# Altium PCB Main_PCB.PcbDoc (part 13 of 13) (continued)
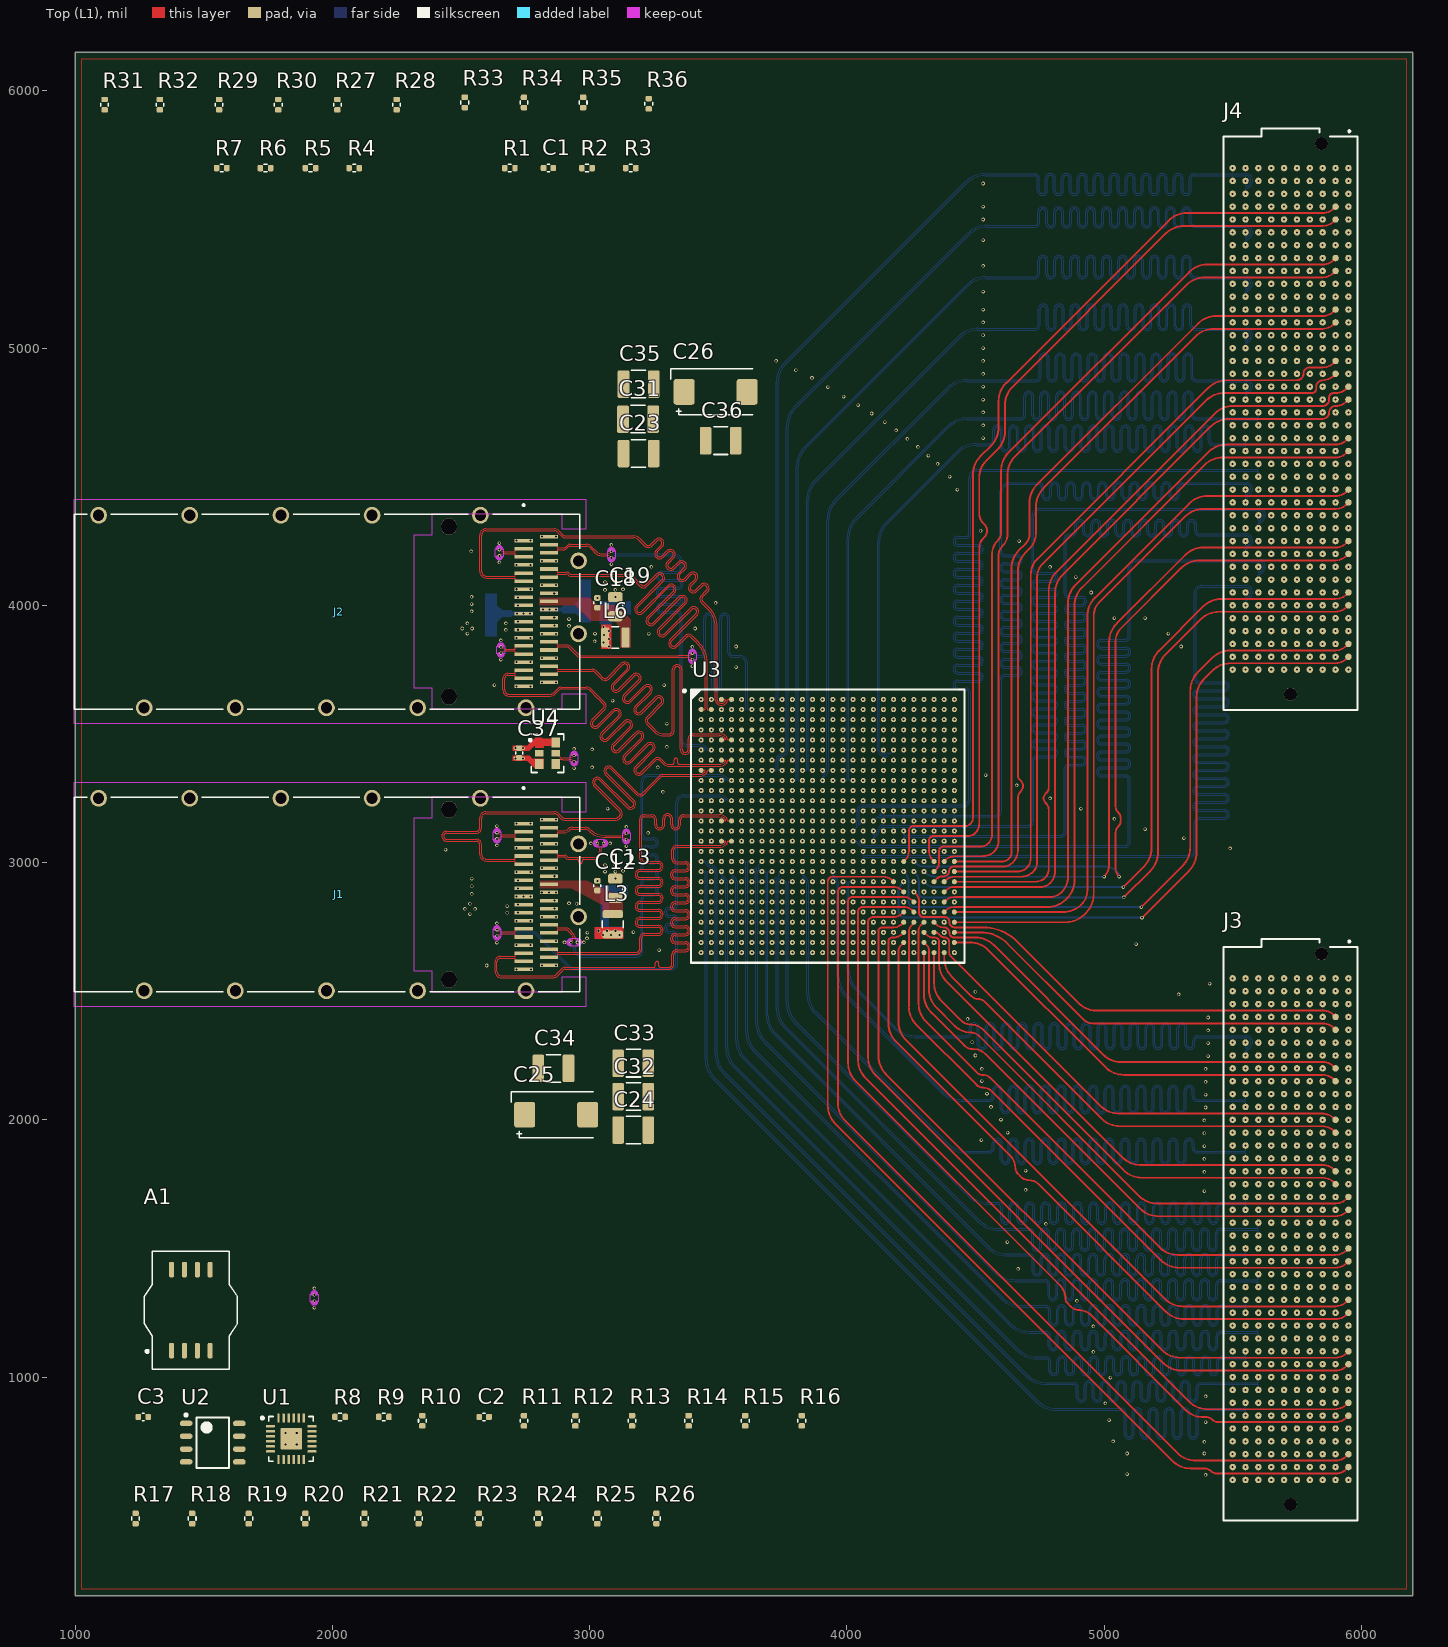
[diagram p0: Top (L1) view]
## Nets (pads, with @x,y where several pads share a name; then routed paths per layer and width w, separated by ;. In a path a pad name is that pad's centre, name@x,y a point inside that pad or via, vN(x,y) a via of type N, cw(c..) or ccw(c..) an arc to the next point about the centre after c; other vN are vias at no path point) (continued)
  Bot (L12) w3.5: v1(3085,4210) ccw(c3106.06,4231.06) 3106.06,4201.28 3323.94,4201.27 cw(c3323.94,4163.94) 3350.34,4190.34 cw(c3327.01,4167.01) 3360,4167.01 3360,4165.72 3360,4143.66 cw(c3340.7,4143.66) 3340.7,4124.36 3278.33,4124.36 ccw(c3278.33,4112.61) 3278.33,4100.86 3343.82,4100.86 cw(c3343.82,4081.56) 3343.82,4062.26 3278.33,4062.26 ccw(c3278.33,4050.51) 3278.33,4038.76 3343.82,4038.76 cw(c3343.82,4019.46) 3343.82,4000.16 3278.33,4000.16 ccw(c3278.33,3988.41) 3278.33,3976.66 3340.7,3976.66 cw(c3340.7,3957.36) 3360,3957.36 3360,3951.83 3360,3477.07 ccw(c3377.07,3477.07) 3365,3465 ccw(c3376.56,3476.56) 3376.56,3460.21 3426.27,3460.21 cw(c3426.27,3420.93) 3454.04,3448.71 3454.11,3448.64 cw(c3446.42,3440.95) 3457.29,3440.95 3457.29,3440.9 ccw(c3460.79,3440.9) 3458.32,3438.43 ccw(c3460.79,3440.9) 3460.79,3437.4 v1(3473.23,3437.4)
QSFP_B_TX1_P: J2.36 U3.F1 | length 1870.6
  Top (L1) w3.5: J2.36@2842.13,4204.33 2865.15,4204.33 ccw(c2865.15,4213.1) 2871.36,4206.9 2872.23,4207.78 ccw(c2868.15,4211.86) 2873.93,4211.86 2873.93,4212.8 cw(c2877.43,4212.8) 2874.95,4215.28 cw(c2877.43,4212.8) 2877.43,4216.3 2900,4216.3 ccw(c2900,4233.16) 2911.92,4221.24 2917.62,4226.94 cw(c2925,4219.56) 2925,4230 2987.93,4230 cw(c2987.93,4212.93) 3000,4225 3015.37,4209.63 ccw(c3053.78,4248.04) 3016.9,4208.16 3016.99,4208.08 cw(c3014.62,4205.5) 3017.12,4207.95 3022.24,4202.83 ccw(c3043.99,4224.43) 3044.05,4193.77 3051.4,4193.77 ; 3051.4,4193.77 cw(c3051.37,4190.27) 3051.49,4193.77 3051.65,4193.77 ccw(c3053.78,4248.04) 3053.78,4193.72 3063.94,4193.73 cw(c3063.94,4163.94) v1(3085,4185)
  Bot (L12) w3.5: v1(3085,4185) cw(c3106.06,4163.94) 3106.06,4193.72 3323.94,4193.73 cw(c3323.94,4163.94) 3345,4185 cw(c3327.01,4167.01) 3352.45,4167.01 3352.45,4165.72 3352.45,4143.66 cw(c3340.7,4143.66) 3340.7,4131.91 3278.33,4131.91 ccw(c3278.33,4112.61) 3278.33,4093.31 3343.82,4093.31 cw(c3343.82,4081.56) 3343.82,4069.81 3278.33,4069.81 ccw(c3278.33,4050.51) 3278.33,4031.21 3343.82,4031.21 cw(c3343.82,4019.46) 3343.82,4007.71 3278.33,4007.71 ccw(c3278.33,3988.41) 3278.33,3969.11 3340.7,3969.11 cw(c3340.7,3957.36) 3352.45,3957.36 3352.45,3951.83 3352.45,3477.07 ccw(c3377.07,3477.07) 3359.66,3459.66 ccw(c3376.56,3476.56) 3376.56,3452.66 3415.82,3452.66 3415.87,3452.71 3426.23,3452.71 cw(c3426.23,3420.84) 3448.77,3443.38 cw(c3446.29,3440.9) 3449.79,3440.9 cw(c3446.29,3440.9) 3448.77,3438.43 cw(c3446.29,3440.9) 3446.29,3437.4 v1(3433.86,3437.4)
QSFP_B_TX2_N: J2.2 U3.D2 | length 1544.7
  Top (L1) w3.5: v1(2649,4217) ccw(c2670.06,4238.06) 2670.06,4208.28 2693.91,4208.27 2694.08,4208.11 2708.4,4208.11 ccw(c2708.4,4211.61) 2710.88,4209.13 ccw(c2708.4,4211.61) 2711.9,4211.61 2711.9,4212.55 cw(c2717.67,4212.55) 2713.58,4216.62 2714.47,4217.51 cw(c2720.68,4211.3) 2720.68,4220.08 J2.2@2743.7,4220.08
  Int9 (L10) w3.5: v1(2649,4217) cw(c2644.34,4217) 2647.64,4213.71 2645.15,4211.21 cw(c2639.56,4216.8) 2639.56,4208.9 ccw(c2639.56,4201) 2633.97,4206.59 ccw(c2676.88,4163.68) 2616.2,4163.68 2616.2,3772.07 ccw(c2642.07,3772.07) 2623.78,3753.78 ccw(c2642.07,3772.07) 2642.07,3746.2 2895.03,3746.2 cw(c2895.03,3725.03) 2910,3740 2942.5,3707.5 3046.01,3603.99 3117.5,3532.5 ; 3117.58,3532.42 3125.63,3524.37 ccw(c3202.57,3601.3) 3202.57,3492.5 3424.3,3492.5 ccw(c3424.3,3534.52) 3454.01,3504.81 3454.1,3504.89 ccw(c3446.39,3512.6) 3457.29,3512.6 ; 3457.29,3512.64 cw(c3460.79,3512.64) 3458.32,3515.12 cw(c3460.79,3512.64) 3460.79,3516.14 v1(3473.23,3516.14)
QSFP_B_TX2_P: J2.3 U3.D1 | length 1544.5
  Top (L1) w3.5: v1(2649,4192) cw(c2670.06,4170.94) 2670.06,4200.72 2690.78,4200.73 2690.95,4200.56 2708.4,4200.56 cw(c2708.4,4197.06) 2710.88,4199.53 cw(c2708.4,4197.06) 2711.9,4197.06 2711.9,4196.11 ccw(c2717.67,4196.11) 2713.59,4192.04 2714.47,4191.15 ccw(c2720.68,4197.36) 2720.68,4188.58 J2.3@2743.7,4188.58
  Int9 (L10) w3.5: 2643.86,4199.07 2647.63,4195.3 cw(c2644.34,4192) v1(2649,4192) ; 2643.85,4199.08 ccw(c2641.38,4196.6) 2641.38,4200.1 ccw(c2641.38,4196.6) 2638.91,4199.07 ccw(c2672.48,4165.5) 2625,4165.5 2625,4085 2625,4073.27 ccw(c2631.75,4073.27) 2631.75,4066.52 2643.32,4066.52 cw(c2643.32,4059.77) 2643.32,4053.02 2631.75,4053.02 ccw(c2631.75,4046.27) 2625,4046.27 2625,4031.02 2625,3772.07 ccw(c2642.07,3772.07) 2630,3760 ccw(c2642.07,3772.07) 2642.07,3755 2895.03,3755 cw(c2895.03,3725.03) 2916.22,3746.22 2948.72,3713.72 3052.23,3610.22 3131.86,3530.59 ccw(c3202.57,3601.3) 3202.57,3501.3 3411.86,3501.3 cw(c3411.86,3496.86) 3415,3500 3424.22,3500 ccw(c3424.22,3534.71) 3448.77,3510.17 ccw(c3446.29,3512.64) 3449.79,3512.64 ccw(c3446.29,3512.64) 3448.77,3515.12 ccw(c3446.29,3512.64) 3446.29,3516.14 v1(3433.86,3516.14)
QSFP_B_TX3_N: J2.34 U3.B2 | length 2249.1
  Top (L1) w3.5: J2.34@2842.13,4141.34 2865.15,4141.34 cw(c2865.15,4132.56) 2871.36,4138.77 2872.23,4137.89 cw(c2868.15,4133.81) 2873.93,4133.81 2873.93,4132.87 ccw(c2877.43,4132.87) 2874.95,4130.39 ccw(c2877.43,4132.87) 2877.43,4129.37 2910.62,4129.37 cw(c2910.62,4115.62) 2920.34,4125.34 2922.62,4123.06 ccw(c2930,4130.44) 2930,4120 3147.86,4120 3147.93,4120 cw(c3147.93,4089.22) 3169.73,4110.95 3197.37,4083.3 3200.17,4080.5 3201.28,4079.4 ccw(c3209.59,4087.71) 3217.9,4079.4 3259.19,4120.69 cw(c3272.83,4107.04) 3286.48,4120.69 cw(c3272.83,4107.04) 3286.48,4093.39 ; 3286.46,4093.37 3186.08,3992.99 ccw(c3194.39,3984.68) 3186.08,3976.38 ccw(c3194.39,3984.68) 3202.67,3976.35 3303.1,4076.78 cw(c3316.75,4063.13) 3330.39,4076.78 cw(c3316.75,4063.13) 3330.39,4049.48 ; 3330.37,4049.46 3229.99,3949.08 ccw(c3238.3,3940.77) 3246.58,3932.44 3347.01,4032.87 cw(c3360.66,4019.22) 3374.3,4032.87 cw(c3360.66,4019.22) 3374.3,4005.57 3273.9,3905.17 ccw(c3282.21,3896.86) 3273.9,3888.55 ccw(c3282.21,3896.86) 3290.5,3888.53 3390.92,3988.95 cw(c3404.57,3975.31) 3418.22,3988.95 cw(c3404.57,3975.31) 3418.22,3961.66 3317.81,3861.26 ccw(c3326.12,3852.95) 3317.81,3844.64 ccw(c3326.12,3852.95) 3334.41,3844.62 3371.59,3881.8 cw(c3385.23,3868.15) 3398.88,3881.8 3412.54,3868.14 3415.34,3865.34 3425.79,3854.88 cw(c3349.74,3778.84) 3457.29,3778.84 3457.29,3598.38 ccw(c3460.79,3598.38) 3458.32,3595.91 ccw(c3460.79,3598.38) 3460.79,3594.88 U3.B2@3473.23,3594.88
QSFP_B_TX3_P: J2.33 U3.B1 | length 2237.3
  Top (L1) w3.5: J2.33@2842.13,4109.84 2865.15,4109.84 ccw(c2865.15,4118.62) 2871.36,4112.41 2872.24,4113.3 ccw(c2868.15,4117.37) 2873.93,4117.37 2873.93,4118.32 cw(c2877.43,4118.32) 2874.95,4120.79 cw(c2877.43,4118.32) 2877.43,4121.82 2910.62,4121.82 cw(c2910.62,4115.62) 2915,4120 2917.28,4117.72 ccw(c2930,4130.44) 2930,4112.45 3149.36,4112.45 cw(c3149.33,4108.95) 3149.55,4112.44 cw(c3147.93,4089.22) 3163.2,4106.79 cw(c3160.89,4104.17) 3163.37,4106.63 3163.57,4106.43 3192.03,4077.97 3194.83,4075.17 3195.91,4074.09 ccw(c3209.59,4087.71) 3223.24,4074.06 3264.53,4115.35 cw(c3272.83,4107.04) 3281.14,4115.35 cw(c3272.83,4107.04) 3281.17,4098.76 3180.74,3998.33 ccw(c3194.39,3984.68) 3180.74,3971.04 ccw(c3194.39,3984.68) 3208.04,3971.04 3308.44,4071.44 cw(c3316.75,4063.13) 3325.05,4071.44 cw(c3316.75,4063.13) 3325.08,4054.85 3224.65,3954.42 ccw(c3238.3,3940.77) 3224.64,3927.14 ; 3224.67,3927.11 ccw(c3238.3,3940.77) 3251.95,3927.13 3352.35,4027.53 cw(c3360.66,4019.22) 3368.97,4027.53 cw(c3360.66,4019.22) 3368.99,4010.93 3268.56,3910.51 ccw(c3282.21,3896.86) 3268.56,3883.21 ccw(c3282.21,3896.86) 3295.86,3883.21 ; 3295.88,3883.24 3396.26,3983.62 cw(c3404.57,3975.31) 3412.88,3983.62 cw(c3404.57,3975.31) 3412.9,3967.02 3312.48,3866.6 ccw(c3326.12,3852.95) 3312.48,3839.3 ccw(c3326.12,3852.95) 3339.77,3839.3 ; 3339.79,3839.32 3376.92,3876.46 cw(c3385.23,3868.15) 3393.54,3876.46 3407.2,3862.8 3410,3860 3420.45,3849.55 cw(c3349.74,3778.84) 3449.74,3778.84 3449.74,3650.05 3449.79,3650 3449.79,3598.38 cw(c3446.29,3598.38) 3448.77,3595.91 cw(c3446.29,3598.38) 3446.29,3594.88 U3.B1@3433.86,3594.88
QSFP_B_TX4_N: J2.5 U3.A4 | length 2239.2
  Top (L1) w3.5: J2.5@2743.7,4125.59 2720.68,4125.59 ccw(c2720.68,4116.82) 2714.47,4123.02 2713.58,4122.13 ccw(c2717.67,4118.06) 2711.9,4118.06 2711.9,4117.12 cw(c2708.4,4117.12) 2710.88,4114.64 cw(c2708.4,4117.12) 2708.4,4113.62 2600,4113.62 cw(c2600,4134.42) 2585.29,4119.71 2585,4120 cw(c2597.07,4132.07) 2580,4132.07 2580,4272.93 cw(c2597.07,4272.93) 2585,4285 cw(c2597.07,4272.93) 2597.07,4290 2862.93,4290 cw(c2862.93,4272.93) 2875,4285 2892.28,4267.72 ccw(c2905,4280.44) 2905,4262.45 3172.01,4262.45 cw(c3172.01,4237.01) 3190,4255 3193,4252 3214.56,4230.44 ccw(c3228.23,4244.07) 3241.88,4230.42 3261.53,4250.07 cw(c3269.84,4241.76) 3278.14,4250.07 cw(c3269.84,4241.76) 3278.17,4233.48 3258.23,4213.54 ccw(c3271.88,4199.9) 3258.23,4186.25 ccw(c3271.88,4199.9) 3285.53,4186.25 3305.44,4206.16 cw(c3313.75,4197.85) 3322.05,4206.16 cw(c3313.75,4197.85) 3322.08,4189.56 3302.15,4169.63 ccw(c3315.79,4155.98) 3302.15,4142.34 ccw(c3315.79,4155.98) 3329.44,4142.34 3349.35,4162.25 cw(c3357.66,4153.94) 3365.97,4162.25 cw(c3357.66,4153.94) 3365.99,4145.65 3346.06,4125.72 ccw(c3359.7,4112.07) 3346.06,4098.43 ccw(c3359.7,4112.07) 3373.35,4098.43 3393.26,4118.34 cw(c3401.57,4110.03) 3409.9,4101.74 3389.97,4081.81 ccw(c3403.62,4068.16) 3389.97,4054.52 ccw(c3403.62,4068.16) 3417.26,4054.52 ; 3417.28,4054.54 3437.17,4074.42 cw(c3445.48,4066.12) 3453.79,4074.42 cw(c3445.48,4066.12) 3453.81,4057.83 3434.14,4038.16 ccw(c3447.78,4024.51) 3434.16,4010.84 3460,3985 3460.21,3984.79 cw(c3389.5,3914.08) 3489.5,3914.08 3489.5,3631.19 ccw(c3507.11,3631.19) 3494.66,3618.74 3494.74,3618.66 ccw(c3511.63,3635.55) 3511.63,3611.66 3512.65,3611.66 ccw(c3512.65,3634.12) 3528.53,3618.24 3532.5,3622.21 ccw(c3523.98,3630.73) 3536.03,3630.73 cw(c3539.53,3630.75) 3537.06,3633.23 cw(c3539.53,3630.75) 3539.53,3634.25 U3.A4@3551.97,3634.25
QSFP_B_TX4_P: J2.6 U3.A3 | length 2251.3
  Top (L1) w3.5: J2.6@2743.7,4094.09 2720.68,4094.09 cw(c2720.68,4102.87) 2714.47,4096.66 2713.59,4097.54 cw(c2717.67,4101.63) 2711.9,4101.63 2711.9,4102.57 ccw(c2708.4,4102.57) 2710.88,4105.04 ccw(c2708.4,4102.57) 2708.4,4106.07 2600,4106.07 cw(c2600,4134.42) 2579.95,4114.37 2579.66,4114.66 cw(c2597.07,4132.07) 2572.45,4132.07 2572.45,4272.93 cw(c2597.07,4272.93) 2579.66,4290.34 cw(c2597.07,4272.93) 2597.07,4297.55 2862.93,4297.55 cw(c2862.93,4272.93) 2880.34,4290.34 2897.62,4273.06 ccw(c2905,4280.44) 2905,4270 3172.01,4270 cw(c3172.01,4237.01) 3195.34,4260.34 3198.34,4257.34 3219.92,4235.76 ccw(c3228.23,4244.07) 3236.54,4235.76 3256.19,4255.41 cw(c3269.84,4241.76) 3283.48,4255.41 cw(c3269.84,4241.76) 3283.48,4228.11 ; 3283.46,4228.09 3263.57,4208.2 ccw(c3271.88,4199.9) 3263.57,4191.59 ccw(c3271.88,4199.9) 3280.17,4191.56 3300.1,4211.5 cw(c3313.75,4197.85) 3327.39,4211.5 cw(c3313.75,4197.85) 3327.39,4184.2 ; 3327.37,4184.18 3307.48,4164.29 ccw(c3315.79,4155.98) 3307.48,4147.68 ccw(c3315.79,4155.98) 3324.08,4147.65 3344.01,4167.59 cw(c3357.66,4153.94) 3371.3,4167.59 cw(c3357.66,4153.94) 3371.3,4140.29 ; 3371.28,4140.27 3351.4,4120.38 ccw(c3359.7,4112.07) 3351.4,4103.77 ccw(c3359.7,4112.07) 3367.99,4103.74 3387.92,4123.67 cw(c3401.57,4110.03) 3414.01,4124.78 3414.11,4124.78 3416.32,4122.57 3416.32,4122.47 cw(c3401.57,4110.03) 3415.22,4096.38 ; 3415.2,4096.36 3395.31,4076.47 ccw(c3403.62,4068.16) 3395.31,4059.85 ccw(c3403.62,4068.16) 3411.9,4059.83 3431.83,4079.76 cw(c3445.48,4066.12) 3459.13,4079.76 cw(c3445.48,4066.12) 3459.13,4052.47 ; 3459.11,4052.45 3439.48,4032.82 ccw(c3447.78,4024.51) 3439.48,4016.2 3464.44,3991.23 3465.34,3990.34 3465.55,3990.13 cw(c3389.5,3914.08) 3497.05,3914.08 3497.05,3649.05 3497,3649 3497,3631.24 ccw(c3507.24,3631.24) 3500,3624 ccw(c3511.69,3635.69) 3511.69,3619.16 3512.6,3619.16 ccw(c3512.6,3634.25) 3523.27,3623.58 3527.18,3627.49 ccw(c3523.93,3630.75) 3528.53,3630.75 ccw(c3525.03,3630.75) 3527.51,3633.23 ccw(c3525.03,3630.75) 3525.03,3634.25 U3.A3@3512.6,3634.25
QSFP_B_VCCA1: C18.2 C19.2 J2.30 L6.2
QSFP_B_VCCRX: C14.2 C15.2 J2.10 L4.2
  other v1: 2718.11,3968.11 2743.11,3968.11 2768.11,3968.11
QSFP_B_VCCTX: C16.2 C17.2 J2.29 L5.2
  other v1: 2818.86,3983.86 2843.86,3983.86 2868.86,3983.86
pads on no net: J1. J2. J3. J4. U2.1 U2.2 U3.A20 U3.AA23 U3.AA24 U3.AB24 U3.AD25 U3.AE22 U3.AE25 U3.AF22 U3.B20 U3.B21 U3.B25 U3.B26 U3.C21 U3.C22 U3.C24 U3.C26 U3.D5 U3.D6 U3.D21 U3.D23 U3.D24 U3.D25 U3.D26 U3.E21 U3.E22 U3.E23 U3.E25 U3.E26 U3.F5 U3.F6 U3.F22 U3.F23 U3.F24 U3.F25 U3.G21 U3.G22 U3.G24 U3.G25 U3.G26 U3.H21 U3.H23 U3.H26 U3.J8 U3.J14 U3.J26 U3.K5 U3.K6 U3.K15 U3.M16 U3.N12 U3.N16 U3.P11 U3.R11 U3.R12 U3.T7 U3.U4 U3.U9 U3.U16 U3.V12 U3.V13 U3.W13 U3.Y20 U3.Y23 U3.Y26 U4.2
copper on no net:
  other v1: 1930,1295 1930,1320 4260.63,2650 4260.63,2689.37 4378.74,2689.37 4378.74,2728.74 4339.37,2807.48 4300,2846.85 4339.37,2846.85 4181.89,2886.22 4300,2886.22 4418.11,2886.22 3906.3,2925.59 3866.93,2964.96 3906.3,2964.96 3551.97,3004.33 3748.82,3004.33 4024.41,3004.33 3670.08,3043.7 3827.56,3083.07 3866.93,3083.07 3827.56,3122.44 3866.93,3161.81 4024.41,3161.81 4024.41,3201.18 3985.04,3279.92 3709.45,3319.29 3945.67,3319.29 4418.11,3319.29 4221.26,3358.66 4300,3358.66 4418.11,3358.66 4221.26,3398.03 4260.63,3398.03 4339.37,3398.03 4378.74,3398.03 4418.11,3398.03 4260.63,3437.4 4300,3437.4 4339.37,3437.4 4378.74,3437.4 4221.26,3476.77 4260.63,3476.77 4300,3476.77 4378.74,3476.77 4418.11,3476.77 4221.26,3516.14 4300,3516.14 4339.37,3516.14 4378.74,3516.14 4418.11,3516.14 4221.26,3555.51 4260.63,3555.51 4339.37,3555.51 4418.11,3555.51 4181.89,3594.88 4221.26,3594.88 4378.74,3594.88 4418.11,3594.88 4181.89,3634.25

## Polygon pours and split planes (outlines as drawn)
GND on Int8 (L9) "NONET_L09_P017" (solid, remove dead copper, shelved, pour order 17): 6175,175 1025,175 1025,6125 6175,6125
GND on Top (L1) "NONET_L01_P025" (solid, remove dead copper, shelved, pour order 25): 6175,175 1025,175 1025,6125 6175,6125
QSFP_B_VCCA1 on Top (L1) "QSFP_B_VCCA1_L01_P013" (solid, pour order 13): 2805,4030 3000,4030 3030,4000 3105,4000 3160,3945 3160,3835 3120,3835 3120,3915 3095,3940 3005,3940 2945,4000 2805,4000
QSFP_A_VCCA1 on Top (L1) "QSFP_A_VCCA1_L01_P000" (solid, pour order 0): 2990,2930 3128,2863.47 3128,2799.37 3051,2799.37 3051,2835.06 2929.54,2900 2807,2900 2807,2930
GND on Int7 (L8) "NONET_L08_P018" (solid, remove dead copper, shelved, pour order 18): 6175,175 1025,175 1025,6125 6175,6125
GND on Bot (L12) "NONET_L12_P014" (solid, remove dead copper, shelved, pour order 14): 6175,175 1025,175 1025,6125 6175,6125
QSFP_A_VCCRX on Bot (L12) "QSFP_A_VCCRX_L12_P003" (solid, pour order 3): 2779,2875 2701.67,2875 2698.33,2880 2660,2880 2636,2904 2636,2947 2599,2947 2599,2791 2638,2791 2638,2838 2657,2857 2697,2857 2701,2861 2779,2861
QSFP_A_VCCTX on Bot (L12) "QSFP_A_VCCTX_L12_P002" (solid, pour order 2): 2806,2891 2926,2891 2963,2928 2963,2989 2996,2989 2996,2877 2806,2877
GND on Int2 (L3) "NONET_L03_P023" (solid, remove dead copper, shelved, pour order 23): 6175,175 1025,175 1025,6125 6175,6125
GND on Int2 (L3) "GND_L03_P010" (solid, pour order 10): 2680,4055 2680,4275 2905,4275 2905,4055
GND on Int2 (L3) "GND_L03_P009" (solid, pour order 9): 2680,3677 2680,3897 2905,3897 2905,3677
GND on Int2 (L3) "GND_L03_P005" (solid, pour order 5): 2680,2955 2680,3175 2905,3175 2905,2955
GND on Int2 (L3) "GND_L03_P004" (solid, pour order 4): 2680,2577 2680,2797 2905,2797 2905,2577
GND on Int10 (L11) "NONET_L11_P015" (solid, remove dead copper, shelved, pour order 15): 6175,175 1025,175 1025,6125 6175,6125
GND on Int9 (L10) "NONET_L10_P016" (solid, remove dead copper, shelved, pour order 16): 6175,175 1025,175 1025,6125 6175,6125
GND on Int6 (L7) "NONET_L07_P019" (solid, remove dead copper, shelved, pour order 19): 6175,175 1025,175 1025,6125 6175,6125
GND on Int5 (L6) "NONET_L06_P020" (solid, remove dead copper, shelved, pour order 20): 6175,175 1025,175 1025,6125 6175,6125
GND on Int4 (L5) "NONET_L05_P021" (solid, remove dead copper, shelved, pour order 21): 6175,175 1025,175 1025,6125 6175,6125
GND on Int3 (L4) "NONET_L04_P022" (solid, remove dead copper, shelved, pour order 22): 6175,175 1025,175 1025,6125 6175,6125
GND on Int1 (l2) "NONET_L02_P024" (solid, remove dead copper, shelved, pour order 24): 6175,175 1025,175 1025,6125 6175,6125

## Keep-outs
Int2 (L3):
  region: 3765,3675 4245,3675 4245,4410 3765,4790
Int7 (L8):
  region: 3725,3675 4205,3675 4205,4430 3725,4790
Int9 (L10):
  region: 3725,3675 4085,3675 4085,4430 3725,4790
Bot (L12):
  region: 3725,3675 4125,3675 4125,4260 3725,4260
Keep-Out Layer:
  region: 2925,3389.5 2925,3419.5 2940,3426 2955,3419.5 2955,3389.5 2940,3383
  region: 2640,3811.5 2640,3841.5 2655,3848 2670,3841.5 2670,3811.5 2655,3805
  region: 3385,3786.5 3385,3816.5 3400,3823 3415,3816.5 3415,3786.5 3400,3780
  region: 3070,4182.5 3070,4212.5 3085,4219 3100,4212.5 3100,4182.5 3085,4176
  region: 2634,4189.5 2634,4219.5 2649,4226 2664,4219.5 2664,4189.5 2649,4183
  region: 3158,3116.5 3158,3086.5 3143,3080 3128,3086.5 3128,3116.5 3143,3123
  region: 2655,2741.5 2655,2711.5 2640,2705 2625,2711.5 2625,2741.5 2640,2748
  region: 2955,2675 2925,2675 2918.5,2690 2925,2705 2955,2705 2961.5,2690
  region: 3027.5,3090 3057.5,3090 3064,3075 3057.5,3060 3027.5,3060 3021,3075
  region: 2625,3089.5 2625,3119.5 2640,3126 2655,3119.5 2655,3089.5 2640,3083
  region: 1915,1292.5 1915,1322.5 1930,1329 1945,1322.5 1945,1292.5 1930,1286
  lines w10: 1920,1292.5 ccw(c1930,1292.5) 1940,1292.5 ; 1920,1322.5 cw(c1930,1322.5) 1940,1322.5 ; 2630,2711.5 ccw(c2640,2711.5) 2650,2711.5 ; 2630,2741.5 cw(c2640,2741.5) 2650,2741.5 ; 2630,3089.5 ccw(c2640,3089.5) 2650,3089.5 ; 2630,3119.5 cw(c2640,3119.5) 2650,3119.5 ; 2639,4189.5 ccw(c2649,4189.5) 2659,4189.5 ; 2639,4219.5 cw(c2649,4219.5) 2659,4219.5 ; 2645,3811.5 ccw(c2655,3811.5) 2665,3811.5 ; 2645,3841.5 cw(c2655,3841.5) 2665,3841.5 ; 2925,2680 cw(c2925,2690) 2925,2700 ; 2930,3389.5 ccw(c2940,3389.5) 2950,3389.5 ; 2930,3419.5 cw(c2940,3419.5) 2950,3419.5 ; 2955,2680 ccw(c2955,2690) 2955,2700 ; 3027.5,3065 cw(c3027.5,3075) 3027.5,3085 ; 3057.5,3065 ccw(c3057.5,3075) 3057.5,3085 ; 3075,4182.5 ccw(c3085,4182.5) 3095,4182.5 ; 3075,4212.5 cw(c3085,4212.5) 3095,4212.5 ; 3133,3086.5 ccw(c3143,3086.5) 3153,3086.5 ; 3133,3116.5 cw(c3143,3116.5) 3153,3116.5 ; 3390,3786.5 ccw(c3400,3786.5) 3410,3786.5 ; 3390,3816.5 cw(c3400,3816.5) 3410,3816.5

## Other copper
Top (L1):
  pour cut-out: 2701.5,3415 2767,3415 2778,3404 2821.5,3404 2821.5,3364 2788,3364 2775,3377 2757,3395 2701.5,3395
  region net GND: 2701.5,3415 2767,3415 2778,3404 2821.5,3404 2821.5,3364 2789,3364 2758,3395 2701.5,3395
  region net 3V3: 3085,3924 3085,3831 3045,3831 3045,3924
  region net 3V3: 3020,2704 3020,2749 3130,2749 3130,2704
  region net 3V3: 2701.5,3455 2758,3455 2784,3481 2881.5,3481 2881.5,3454 2784,3454 2765,3435 2701.5,3435
Int1 (l2):
  pour cut-out: 2708.27,3723 2708.27,3709.25 2779.13,3709.25 2779.13,3723
  pour cut-out: 2708.27,3754.53 2708.27,3740.78 2779.13,3740.78 2779.13,3754.53
  pour cut-out: 2877.56,3725 2877.56,3738.75 2806.69,3738.75 2806.69,3725
  pour cut-out: 2877.56,3756.5 2877.56,3770.24 2806.69,3770.24 2806.69,3756.5
  pour cut-out: 2779.13,3803.74 2779.13,3817.49 2708.27,3817.49 2708.27,3803.74
  pour cut-out: 2708.27,3849.02 2708.27,3835.27 2779.13,3835.27 2779.13,3849.02
  pour cut-out: 2877.56,3819.49 2877.56,3833.24 2806.69,3833.24 2806.69,3819.49
  pour cut-out: 2877.56,3850.98 2877.56,3864.73 2806.69,3864.73 2806.69,3850.98
  pour cut-out: 2779.13,4087.2 2779.13,4100.95 2708.27,4100.95 2708.27,4087.2
  pour cut-out: 2877.56,4102.95 2877.56,4116.7 2806.69,4116.7 2806.69,4102.95
  pour cut-out: 2708.27,4132.48 2708.27,4118.73 2779.13,4118.73 2779.13,4132.48
  pour cut-out: 2806.69,4148.23 2806.69,4134.48 2877.56,4134.48 2877.56,4148.23
  pour cut-out: 2708.27,4195.47 2708.27,4181.72 2779.13,4181.72 2779.13,4195.47
  pour cut-out: 2708.27,4226.97 2708.27,4213.22 2779.13,4213.22 2779.13,4226.97
  pour cut-out: 2877.56,4197.44 2877.56,4211.19 2806.69,4211.19 2806.69,4197.44
  pour cut-out: 2877.56,4228.94 2877.56,4242.69 2806.69,4242.69 2806.69,4228.94
  pour cut-out: 2877.56,3128.94 2877.56,3142.68 2806.69,3142.68 2806.69,3128.94
  pour cut-out: 2877.56,3097.44 2877.56,3111.19 2806.69,3111.19 2806.69,3097.44
  pour cut-out: 2708.27,3126.97 2708.27,3113.22 2779.13,3113.22 2779.13,3126.97
  pour cut-out: 2708.27,3095.47 2708.27,3081.72 2779.13,3081.72 2779.13,3095.47
  pour cut-out: 2806.69,3048.23 2806.69,3034.48 2877.56,3034.48 2877.56,3048.23
  pour cut-out: 2708.27,3032.48 2708.27,3018.73 2779.13,3018.73 2779.13,3032.48
  pour cut-out: 2877.56,3002.95 2877.56,3016.7 2806.69,3016.7 2806.69,3002.95
  pour cut-out: 2779.13,2987.2 2779.13,3000.95 2708.27,3000.95 2708.27,2987.2
  pour cut-out: 2877.56,2750.98 2877.56,2764.73 2806.69,2764.73 2806.69,2750.98
  pour cut-out: 2877.56,2719.49 2877.56,2733.24 2806.69,2733.24 2806.69,2719.49
  pour cut-out: 2708.27,2749.02 2708.27,2735.27 2779.13,2735.27 2779.13,2749.02
  pour cut-out: 2779.13,2703.74 2779.13,2717.49 2708.27,2717.49 2708.27,2703.74
  pour cut-out: 2877.56,2656.5 2877.56,2670.24 2806.69,2670.24 2806.69,2656.5
  pour cut-out: 2877.56,2625 2877.56,2638.75 2806.69,2638.75 2806.69,2625
  pour cut-out: 2708.27,2654.53 2708.27,2640.78 2779.13,2640.78 2779.13,2654.53
  pour cut-out: 2708.27,2623 2708.27,2609.25 2779.13,2609.25 2779.13,2623
Int2 (L3):
  pour cut-out: 2708.27,2623 2708.27,2609.25 2779.13,2609.25 2779.13,2623
  pour cut-out: 2708.27,2654.53 2708.27,2640.78 2779.13,2640.78 2779.13,2654.53
  pour cut-out: 2877.56,2625 2877.56,2638.75 2806.69,2638.75 2806.69,2625
  pour cut-out: 2877.56,2656.5 2877.56,2670.24 2806.69,2670.24 2806.69,2656.5
  pour cut-out: 2779.13,2703.74 2779.13,2717.49 2708.27,2717.49 2708.27,2703.74
  pour cut-out: 2708.27,2749.02 2708.27,2735.27 2779.13,2735.27 2779.13,2749.02
  pour cut-out: 2877.56,2719.49 2877.56,2733.24 2806.69,2733.24 2806.69,2719.49
  pour cut-out: 2877.56,2750.98 2877.56,2764.73 2806.69,2764.73 2806.69,2750.98
  pour cut-out: 2779.13,2987.2 2779.13,3000.95 2708.27,3000.95 2708.27,2987.2
  pour cut-out: 2877.56,3002.95 2877.56,3016.7 2806.69,3016.7 2806.69,3002.95
  pour cut-out: 2708.27,3032.48 2708.27,3018.73 2779.13,3018.73 2779.13,3032.48
  pour cut-out: 2806.69,3048.23 2806.69,3034.48 2877.56,3034.48 2877.56,3048.23
  pour cut-out: 2708.27,3095.47 2708.27,3081.72 2779.13,3081.72 2779.13,3095.47
  pour cut-out: 2708.27,3126.97 2708.27,3113.22 2779.13,3113.22 2779.13,3126.97
  pour cut-out: 2877.56,3097.44 2877.56,3111.19 2806.69,3111.19 2806.69,3097.44
  pour cut-out: 2877.56,3128.94 2877.56,3142.68 2806.69,3142.68 2806.69,3128.94
  pour cut-out: 2877.56,4228.94 2877.56,4242.69 2806.69,4242.69 2806.69,4228.94
  pour cut-out: 2877.56,4197.44 2877.56,4211.19 2806.69,4211.19 2806.69,4197.44
  pour cut-out: 2708.27,4226.97 2708.27,4213.22 2779.13,4213.22 2779.13,4226.97
  pour cut-out: 2708.27,4195.47 2708.27,4181.72 2779.13,4181.72 2779.13,4195.47
  pour cut-out: 2806.69,4148.23 2806.69,4134.48 2877.56,4134.48 2877.56,4148.23
  pour cut-out: 2708.27,4132.48 2708.27,4118.73 2779.13,4118.73 2779.13,4132.48
  pour cut-out: 2877.56,4102.95 2877.56,4116.7 2806.69,4116.7 2806.69,4102.95
  pour cut-out: 2779.13,4087.2 2779.13,4100.95 2708.27,4100.95 2708.27,4087.2
  pour cut-out: 2877.56,3850.98 2877.56,3864.73 2806.69,3864.73 2806.69,3850.98
  pour cut-out: 2877.56,3819.49 2877.56,3833.24 2806.69,3833.24 2806.69,3819.49
  pour cut-out: 2708.27,3849.02 2708.27,3835.27 2779.13,3835.27 2779.13,3849.02
  pour cut-out: 2779.13,3803.74 2779.13,3817.49 2708.27,3817.49 2708.27,3803.74
  pour cut-out: 2877.56,3756.5 2877.56,3770.24 2806.69,3770.24 2806.69,3756.5
  pour cut-out: 2877.56,3725 2877.56,3738.75 2806.69,3738.75 2806.69,3725
  pour cut-out: 2708.27,3754.53 2708.27,3740.78 2779.13,3740.78 2779.13,3754.53
  pour cut-out: 2708.27,3723 2708.27,3709.25 2779.13,3709.25 2779.13,3723
Bot (L12):
  region net 3V3: 3040,4015 3040,3930 3045,3925 3045,3831 3085,3831 3085,3950 3100,3965 3160,3965 3160,4015
  region net QSFP_B_VCCTX: 2806,3977 2889.33,3977 2896.33,3970 2945,3970 2960,3955 2960,3935 3005,3935 3005,4100 2960,4100 2960,4020 2938,3998 2897,3998 2890,3991 2806,3991
  region net QSFP_B_VCCRX: 2779,3975 2700,3975 2695,3980 2660,3980 2640,4000 2640,4045 2595,4045 2595,3880 2640,3880 2640,3935 2660,3955 2695,3955 2701,3961 2779,3961
  region net 3V3: 3018,2740 3044,2740 3044,2912 3149,2912 3149,2873 3075,2873 3075,2750 3130,2750 3130,2710 3018,2710

## Silkscreen, mask and mechanical layers (free items; w line width, h text height)
Board Outline:
  the board outline again, w6.02

## Text inside footprints (layer, text, board x,y; h text height)
J1: Mechanical 13 "PCB EDGE" at 1012.6,2419.29 h32 r270
J2: Mechanical 13 "PCB EDGE" at 1012.6,3519.29 h32 r270